# Altium PCB spd150.PcbDoc (part 11 of 15)
Units mil, origin at the board's own origin, x right, y up, seen from the top; angles counter-clockwise.
Board outline 8557 x 5807 mil, 10 copper layers (TOP, LYR2-PLN, LYR3-SIG, LYR4-SIG, LYR5-PLN, LYR6-PLN, LYR7-SIG, LYR8-SIG, LYR9-PLN, BOTTOM), stack 84 mil thick; 1065 components, 972 nets, 4226 pads, 2810 vias.
Unrouted connection lines stored in the file: 16.
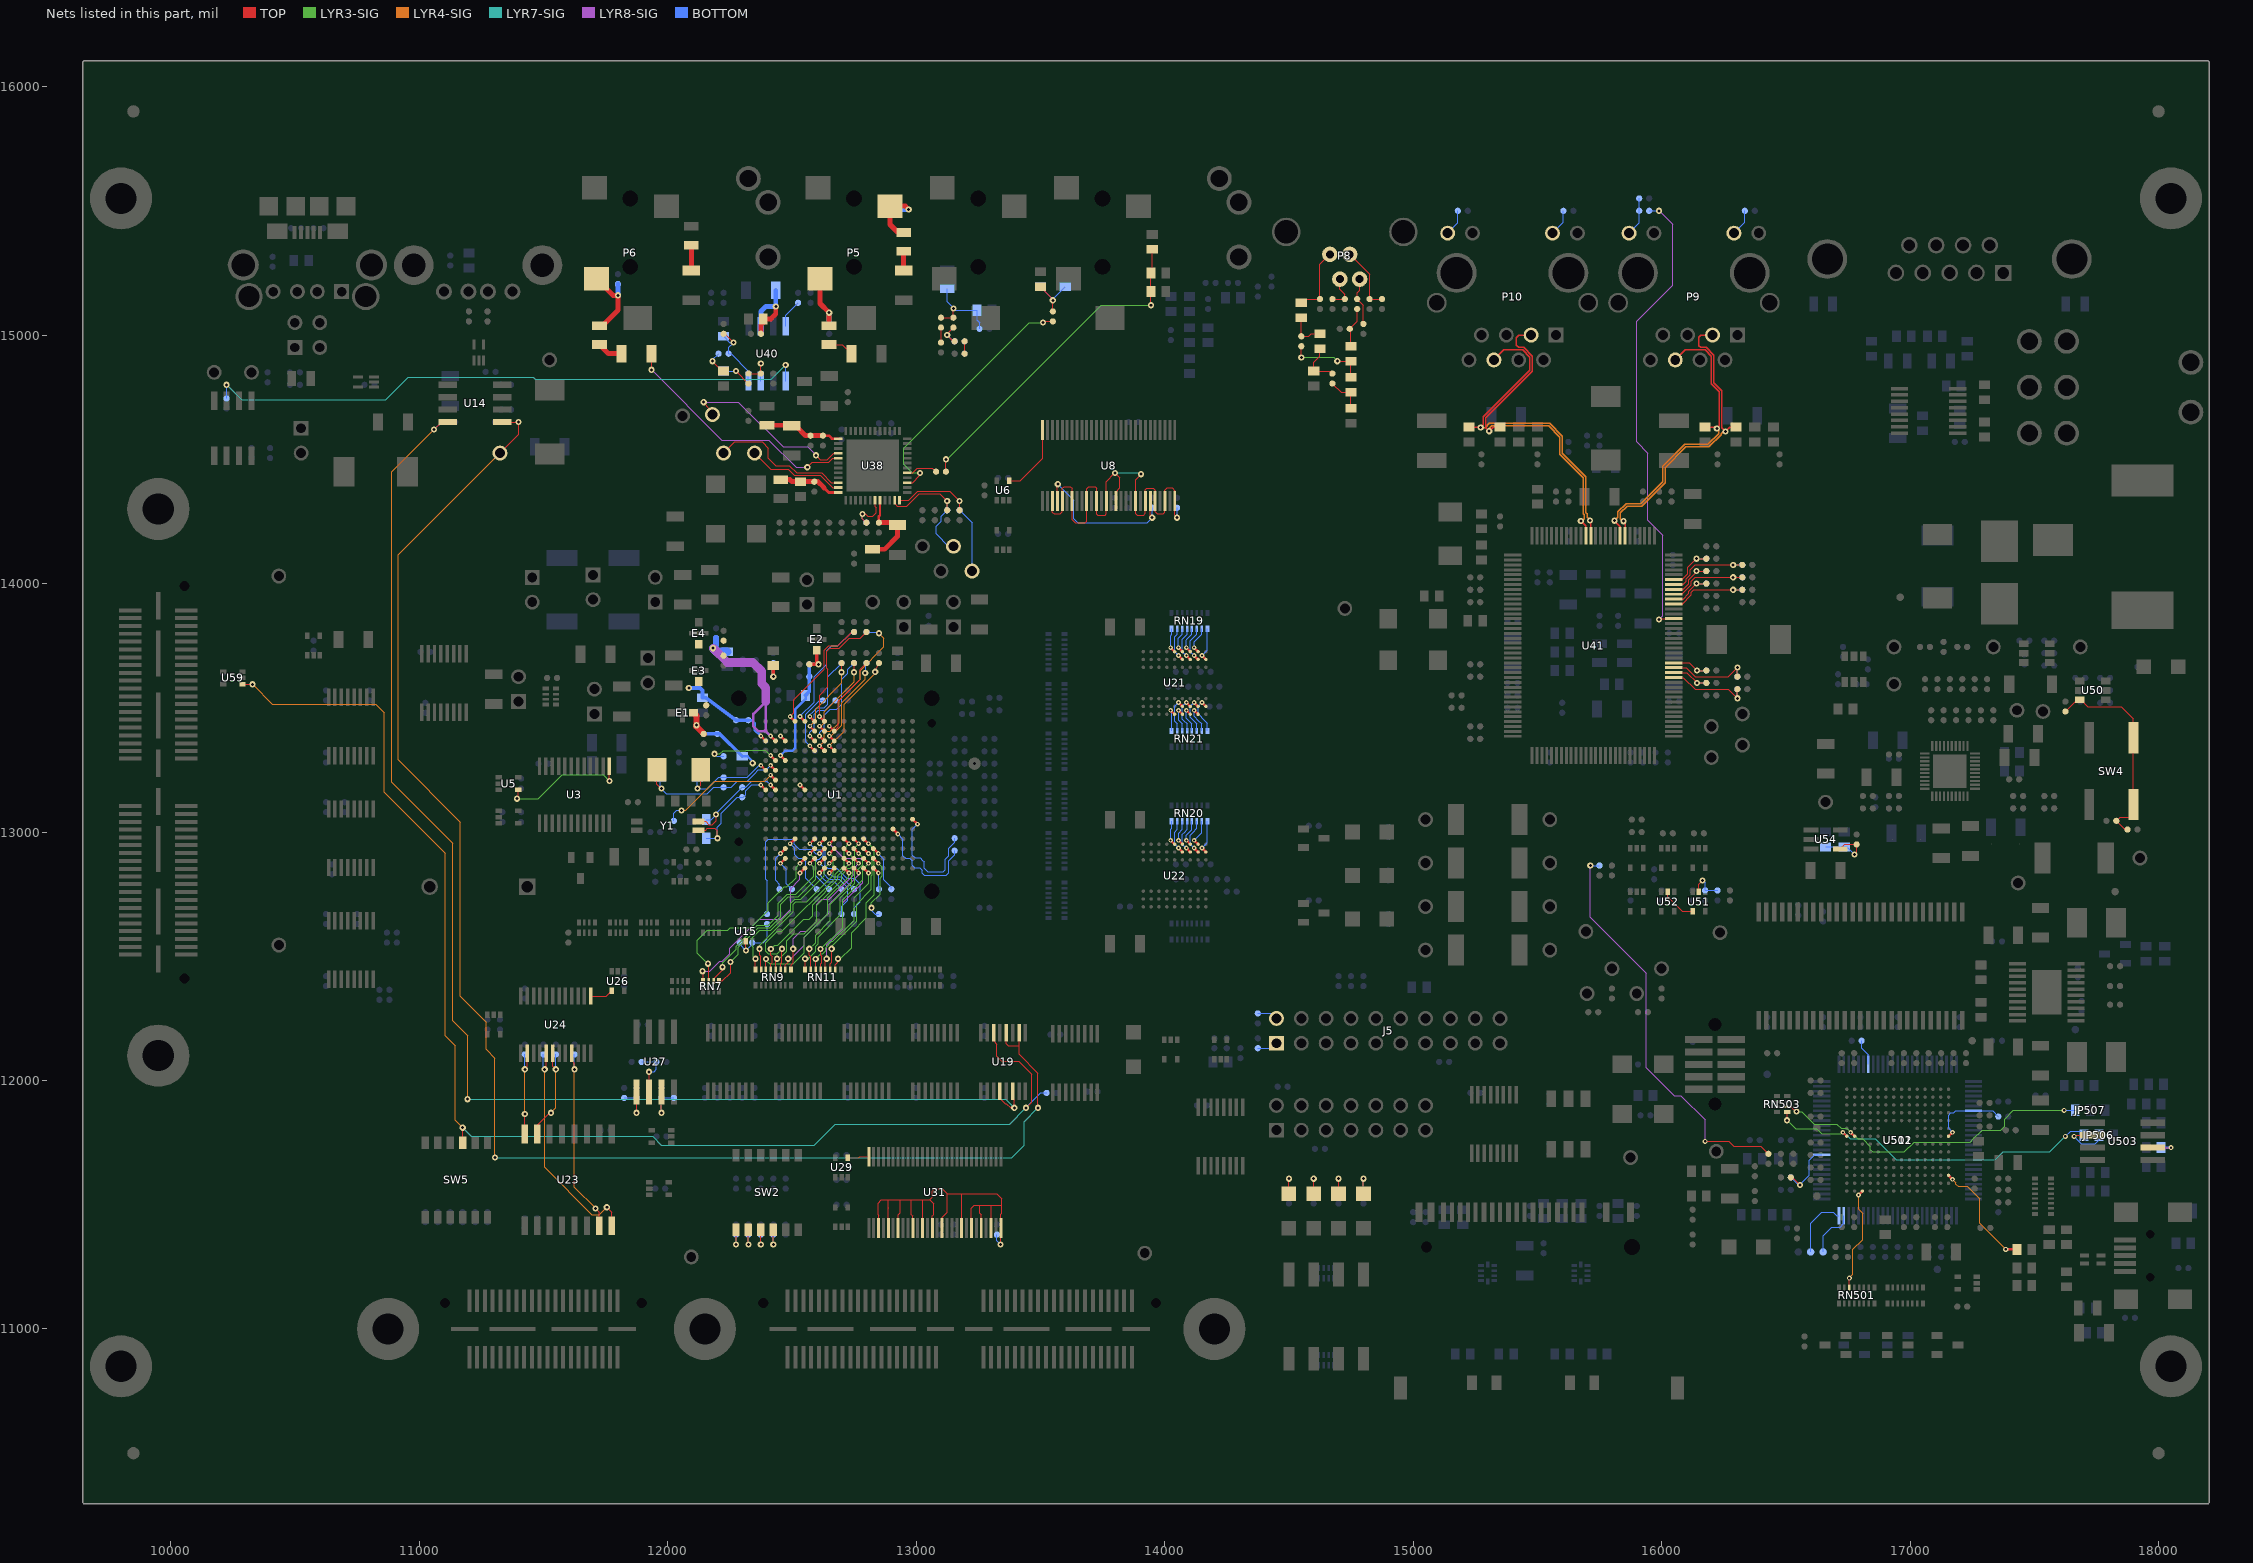
[diagram p19: the nets of this part, all layers, seen from the top]

## Via types
v1: diameter 25, hole 12, TOP to BOTTOM, 2018 vias
v2: diameter 19, hole 8, TOP to BOTTOM, 651 vias
v3: diameter 20, hole 10, TOP to BOTTOM, 120 vias
v4: diameter 22, hole 10, TOP to BOTTOM, 21 vias

## Nets (pads, with @x,y where several pads share a name; then routed paths per layer and width w, separated by ;. In a path a pad name is that pad's centre, name@x,y a point inside that pad or via, vN(x,y) a via of type N, cw(c..) or ccw(c..) an arc to the next point about the centre after c; other vN are vias at no path point) (continued)
N19020479: R234.2 U41.25 | length 1879.4
  TOP w5: v1(15989,13855) 15990,13855 15993.4,13858.4 U41.25@16049,13858.4
  LYR8-SIG w5: v1(15989,13855) 16005,13871 16005,14195 15945,14255 15945,14525 15900,14570 15900,15055 16045,15200 16045,15445 v1(15990,15500)
  BOTTOM w5: R234.2@15950,15500 v1(15990,15500)
N19211648: C261.2 R372.2 R373.1 U54.4 | length 245.4
  TOP w5: U54.4@16719,12932.6 16736.4,12950 C261.2@16785,12950 16785,12919 v1(16776,12910)
  BOTTOM w5: R373.1@16660,12940 R372.2@16735,12940 16746,12940 v1(16776,12910)
N19340295: U3.13 U5.4 | length 519.4
  TOP w5: v1(11394,13134) 11399,13139 U5.4@11399,13169.4 ; v1(11765.8,13205) U3.13@11765.8,13265
  LYR3-SIG w5: v1(11394,13134) 11479,13134 11575,13230 11740.8,13230 v1(11765.8,13205)
N19355604: C170.1 C171.1 L10.2 R184.1 R187.1 | length 354.4
  TOP w5: C170.1@13100,15070 R184.1@13150,15070 v1(13150,15107)
  BOTTOM w5: L10.2@13125,15187 13125,15135 13150,15110 v1(13150,15107) 13157,15100 C171.1@13245,15100 13245,15060 13255,15050 R187.1@13255,15025
N19372959: U24.13 U26.4 | length 92.3
  TOP w5: U24.13@11690.8,12340 11753.4,12340 U26.4@11774.4,12361
N19686959: R80.1 U1.R7 | length 312.9
  TOP w10: v2(12611.3,12874.2) U1.R7@12631,12893.9
  BOTTOM w4: v2(12611.3,12874.2) 12630,12855.5 12630,12830 12645,12815
  BOTTOM w5: 12645,12815 12650,12810 12690,12810 12725,12775 12725,12726 12700,12701 R80.1@12700,12670
N19689562: R79.1 U1.T12 | length 93.6
  TOP w10: U1.T12@12828,12854.5 v2(12847.7,12834.8)
  BOTTOM w4: v2(12847.7,12834.8) 12850,12832.5 12850,12815
  BOTTOM w5: R79.1@12850,12770 12850,12815
N19692173: R78.1 U1.R12 | length 277.8
  TOP w10: U1.R12@12828,12893.9 v2(12847.7,12874.2)
  LYR3-SIG w4: v2(12847.7,12874.2) 12848,12874.2 12863.2,12859 12863.2,12823.2 12855,12815
  LYR3-SIG w5: v1(12820,12695) 12820,12715 12855,12750 12855,12815
  BOTTOM w5: v1(12820,12695) 12820,12685 12835,12670 R78.1@12850,12670
N19694792: R77.1 U1.N7 | length 427.1
  TOP w10: v2(12611.3,12953) U1.N7@12631,12972.7
  BOTTOM w4: v2(12611.3,12953) 12635,12929.3 12635,12865 12645,12855 12680,12855 12720,12815 12750,12815
  BOTTOM w5: R77.1@12750,12670 12750,12695 12775,12720 12775,12790 12750,12815
N19697419: R76.1 U1.L16 | length 480.7
  TOP w10: U1.L16@12985.6,13051.5 v2(13005.3,13031.8)
  BOTTOM w4: v2(13005.3,13031.8) 12985,13011.5 12985,12907 12996,12896 13016,12896 13025,12887
  BOTTOM w5: 13025,12887 13032,12880 13032,12855 13046,12841 13110,12841 13118,12849 13118,12891 13131,12904 13131,12934 13155,12958 R76.1@13155,12975
N19700054: R75.1 U1.T7 | length 147
  TOP w10: v2(12611.3,12834.8) U1.T7@12631,12854.5
  BOTTOM w4: v2(12611.3,12834.8) 12611.3,12828.7 12625,12815
  BOTTOM w5: 12625,12815 12640,12800 12670,12800 R75.1@12700,12770
N19707445: R72.2 R73.2 R74.1 U15.2 | length 248.9
  TOP w5: v1(12315,12523) U15.2@12315,12561
  BOTTOM w5: R73.2@12290,12555 12290,12548 v1(12315,12523) 12340,12548 R74.1@12340,12555 12385,12555 12400,12570 R72.2@12400,12630
N19761833: TP40.1 U38.28 | length 710
  TOP w5: v1(12145,14730) 12180,14685 TP40.1@12180,14680 ; v1(12597,14516) 12615,14498 12643,14498 12669.2,14524.2 U38.28@12686,14524.2
  LYR8-SIG w5: v1(12145,14730) 12285,14730 12465,14550 12563,14550 v1(12597,14516)
N19781344: P8.1 R228.2 R232.1 | length 194.5
  TOP w5: P8.1@14785,15225 14785,15180 14775,15170 R228.2@14775,15145 14800,15120 R232.1@14800,15045
N19781350: C192.2 P8.4 R225.2 | length 277.8
  TOP w5: C192.2@14550,15130 14565,15145 R225.2@14625,15145 14625,15285 P8.4@14665,15325
N19781354: C196.1 P8.3 R230.2 | length 138.3
  TOP w5: C196.1@14675,15145 R230.2@14725,15145 14725,15165 14705,15185 P8.3@14705,15225
N19781358: C197.1 P8.2 R231.2 | length 263.1
  TOP w5: P8.2@14745,15325 14825,15245 C197.1@14825,15145 R231.2@14875,15145
N19781378: C190.2 C191.1 R226.1 | length 179.5
  TOP w5: C191.1@14625,14945 14625,14915 14600,14890 C190.2@14600,14855 14665,14855 R226.1@14675,14845
N19781382: C193.2 C194.1 R226.2 | length 154.5
  TOP w5: R226.2@14675,14805 14710,14770 C194.1@14750,14770 C193.2@14750,14705
N19781386: C194.2 C195.1 R227.2 | length 316.2
  TOP w5: v1(14550,14910) R227.2@14550,14955 ; v1(14695,14895) C195.1@14750,14895 C194.2@14750,14830
  LYR3-SIG w5: v1(14550,14910) 14680,14910 v1(14695,14895)
N19781398: C191.2 C192.1 R227.1 | length 154.1
  TOP w5: C192.1@14550,15070 R227.1@14550,14995 14580,14995 14590,15005 C191.2@14625,15005
N19781428: C195.2 R228.1 R229.2 | length 164.5
  TOP w5: C195.2@14750,14955 14750,15020 R229.2@14745,15025 14775,15055 R228.1@14775,15105
N19815923: C49.1 R106.1 U1.F1 Y2.1 | length 446.7
  TOP w5: v1(12120,13175) 12133,13188 Y2.1@12133,13250
  TOP w10: v2(12374.9,13268.2) U1.F1@12394.6,13248.5
  BOTTOM w4: 12350,13250 12368.2,13268.2 v2(12374.9,13268.2)
  BOTTOM w5: C49.1@12120,13220 v1(12120,13175) 12160,13175 12205,13220 R106.1@12225,13220 12320,13220 12350,13250
N19816047: C48.1 R106.2 U1.F2 Y2.2 | length 651.9
  TOP w5: Y2.2@11957,13250 11957,13193 v1(11975,13175)
  TOP w10: v2(12414.3,13268.2) U1.F2@12434,13248.5
  BOTTOM w4: 12350,13235 12365,13250 12396.1,13250 v2(12414.3,13268.2)
  BOTTOM w5: C48.1@11970,13220 11970,13180 v1(11975,13175) 11995,13155 12160,13155 12185,13180 R106.2@12225,13180 12255,13180 12280,13205 12320,13205 12350,13235
N19816061: R108.1 U1.E2 | length 310.8
  TOP w10: v2(12414.3,13307.6) U1.E2@12434,13287.9
  LYR3-SIG w4: 12360,13330 12391.9,13330 v2(12414.3,13307.6)
  LYR3-SIG w5: v1(12188,13315) 12210,13315 12223,13328 12313.3,13328 12315.3,13330 12360,13330
  BOTTOM w5: v1(12188,13315) 12198,13305 R108.1@12225,13305
N19869868: C258.1 R363.1 U51.2 | length 146.4
  TOP w5: U51.2@16150,12759 16150,12790 v1(16165,12805)
  BOTTOM w5: v1(16165,12805) 16175,12795 C258.1@16175,12765 R363.1@16225,12765
N19875006: U51.4 U52.2 | length 142.8
  TOP w5: U52.2@16025,12759 16025,12740 16084,12681 U51.4@16124.4,12681
N19925423: U6.4 U8.56 | length 284.8
  TOP w5: U6.4@13375.6,14414 13419,14414 13509.3,14504.3 U8.56@13509.3,14618
N19966679: U29.4 U31.56 | length 85.4
  TOP w5: U29.4@12725.6,11689 12769,11689 12773,11693 U31.56@12809.3,11693
N19997012: R153.1 U31.3 U31.5 U31.7 U31.10 U31.12 U31.14 U31.16 U31.20 U31.22 U31.24 U31.26 U31.28 | length 2146.4
  TOP w5: U31.3@12848.7,11407 12848.7,11458 12846.7,11460 12846.7,11506.7 12860,11520 12888,11520 ; U31.5@12888,11407 12888,11469.7 12888.4,11470.1 12888.4,11486.7 12888,11487.1 12888,11520 ; U31.7@12927.4,11407 12927.4,11460 12935,11467.6 12935,11520 ; U31.10@12986.4,11407 12986.4,11455 12980.7,11460.7 12980.7,11519.9 12980.6,11520 ; U31.12@13025.8,11407 13025.8,11460 13027.4,11461.6 13027.4,11519.9 13027.5,11520 ; U31.14@13065.2,11407 13065.2,11455.2 13070,11460 13070,11505 13055,11520 ; U31.16@13104.5,11407 13104.5,11449.5 13125,11470 13125,11545 ; U31.20@13183.2,11407 13183.2,11544.9 13183.3,11545 ; U31.22@13222.6,11407 13222.6,11486.9 13234.6,11498.9 13255,11498.9 ; U31.24@13262,11407 13262,11459.7 13255,11466.7 13255,11498.9 ; U31.26@13301.3,11407 13301.3,11498.9 ; v1(13340,11340) 13340.7,11340.7 U31.28@13340.7,11407 13340,11407.7 13340,11461.7 13345,11466.7 13345,11498.8 ; 12888,11520 12935,11520 ; 12935,11520 12980.6,11520 ; 12980.6,11520 13027.5,11520 ; 13027.5,11520 13055,11520 ; 13055,11520 13065,11530 13065,11555 13075,11565 13105,11565 13125,11545 ; 13125,11545 13183.3,11545 ; 13183.3,11545 13325,11545 13345,11525 13345,11498.8 ; 13255,11498.9 13301.3,11498.9 ; 13301.3,11498.9 13344.9,11498.9 13345,11498.8
  BOTTOM w5: R153.1@13325,11380 13325,11355 v1(13340,11340)
N20014734: R23.1 U8.3 U8.5 U8.7 U8.10 U8.12 U8.14 U8.16 U8.20 U8.22 U8.24 U8.26 U8.28 | length 1935.5
  TOP w5: U8.3@13548.7,14332 13548.7,14286.3 13555,14280 13580,14280 13588,14288 U8.5@13588,14332 13588,14383 13595,14390 13620,14390 13627.4,14382.6 U8.7@13627.4,14332 13627.4,14257.6 13640,14245 13680,14245 13686.4,14251.4 U8.10@13686.4,14332 13686.4,14381.4 13695,14390 13720,14390 13725.8,14384.2 U8.12@13725.8,14332 13725.8,14279.2 13730,14275 13760,14275 13765.2,14280.2 U8.14@13765.2,14332 13765.2,14410.2 v1(13800,14445) 13820,14425 13820,14385 13804.5,14369.5 U8.16@13804.5,14332 ; v1(13905,14440) 13883.2,14418.2 U8.20@13883.2,14332 13883.2,14281.8 13890,14275 13915,14275 13922.6,14282.6 U8.22@13922.6,14332 13922.6,14377.7 13928,14383.1 13953.9,14383.1 13962,14375 U8.24@13962,14332 13962,14288 13970,14280 13995,14280 14001.3,14286.3 U8.26@14001.3,14332 14001.3,14375 14011.3,14385 14030,14385 14040.7,14374.3 U8.28@14040.7,14332 14040.7,14274.3 v1(14050,14265)
  LYR7-SIG w5: v1(13800,14445) 13900,14445 v1(13905,14440)
  BOTTOM w5: v1(14050,14265) R23.1@14050,14305
N20113681: R221.1 U40.8 | length 115.7
  BOTTOM w5: U40.8@12475,15035 12475,15080 R221.1@12525,15130
N20116175: C183.1 C184.2 R212.1 U40.6 | length 345.7
  TOP w20: C184.2@12375,15005 12375,15040 12385,15050 R212.1@12385,15065 12415,15065 12435,15085 v1(12435,15115)
  BOTTOM w20: U40.6@12375,15035 12375,15095 12395,15115 v1(12435,15115) C183.1@12435,15180
N20121032: C173.1 U38.29 | length 993.5
  TOP w5: v1(11935,14860) C173.1@11935,14925 ; v1(12562,14468) 12582,14488 12647.5,14488 12664,14504.5 U38.29@12686,14504.5
  LYR8-SIG w5: v1(11935,14860) 12217.5,14577.5 12407.5,14577.5 12517,14468 v1(12562,14468)
N20124212: R199.2 R205.1 TP11.1 U38.47 | length 541.2
  TOP w5: U38.47@12913.6,14336 12913.6,14322.4 12924.5,14311.5 12961.5,14311.5 13012,14362 13095,14362 v1(13125,14332) R205.1@13125,14295
  BOTTOM w5: v1(13125,14332) R199.2@13125,14295 13100,14270 13100,14250 13080,14230 13080,14200 13130,14150 TP11.1@13150,14150
N20124340: R198.2 R204.1 TP12.1 U38.48 | length 613
  TOP w5: U38.48@12933.2,14336 12971,14336 13007,14372 13135,14372 v1(13175,14332) R204.1@13175,14295
  BOTTOM w5: v1(13175,14332) R198.2@13175,14295 13225,14245 TP12.1@13225,14050
N20126363: R219.2 R222.1 U40.3 | length 160
  TOP w5: R219.2@12325,14845 R222.1@12375,14845 v1(12375,14885)
  BOTTOM w5: U40.3@12375,14815 v1(12375,14885)
N20126390: C186.1 R219.1 | length 120.7
  TOP w5: v1(12275,14855) R219.1@12325,14805
  BOTTOM w5: C186.1@12225,14855 v1(12275,14855)
N20126598: C185.2 R218.1 | length 101.9
  TOP w5: v1(12180,14895) 12220,14855 C185.2@12225,14855
  BOTTOM w5: v1(12180,14895) 12180,14900 R218.1@12205,14925
N20126612: C179.2 R215.1 R218.2 U40.4 | length 307.1
  TOP w5: R215.1@12225,15005 12230,15005 v1(12265,14970)
  BOTTOM w5: C179.2@12225,14995 12250,14970 v1(12265,14970) 12245,14950 R218.2@12245,14925 12255,14925 12325,14855 U40.4@12325,14815
N20128045: R224.1 U40.1 | length 2459.1
  LYR7-SIG w5: v1(10225,14800) 10285,14740 10865,14740 10955,14830 11460,14830 11467.5,14822.5 12417.5,14822.5 v1(12475,14880)
  BOTTOM w5: R224.1@10225,14745 v1(10225,14800) ; U40.1@12475,14815 v1(12475,14880)
N20129293: R121.2 SW2.1 | length 100
  TOP w5: v1(12275,11340) SW2.1@12275,11400
  BOTTOM w5: v1(12275,11340) R121.2@12275,11380
N20129295: R122.2 SW2.2 | length 100
  TOP w5: v1(12325,11340) SW2.2@12325,11400
  BOTTOM w5: v1(12325,11340) R122.2@12325,11380
N20129297: R123.2 SW2.3 | length 100
  TOP w5: v1(12375,11340) SW2.3@12375,11400
  BOTTOM w5: v1(12375,11340) R123.2@12375,11380
N20129307: R125.2 SW2.4 | length 100
  TOP w5: v1(12425,11340) SW2.4@12425,11400
  BOTTOM w5: v1(12425,11340) R125.2@12425,11380
N20129381: TP7.1 U38.35 | length 393.4
  TOP w5: TP7.1@12350,14525 12415,14460 12485,14460 12510,14435 12615,14435 12663.6,14386.4 U38.35@12686,14386.4
N20129448: TP8.1 U38.34 | length 571
  TOP w5: TP8.1@12225,14525 12270,14570 12380,14570 12405,14545 12405,14505 12435,14475 12490,14475 12520,14445 12620,14445 12658.9,14406.1 U38.34@12686,14406.1
N20132491: R203.2 R208.1 U38.43 | length 202.8
  TOP w5: R203.2@12800,14245 12784,14261 v1(12784,14280) 12795,14280 12805,14270 12825,14270 12840,14285 12840,14304.8 12834.8,14310 U38.43@12834.8,14336
  BOTTOM w5: v1(12784,14280) 12784,14261 R208.1@12800,14245
N20134713: R30.1 U1.C6 | length 231.7
  TOP w10: v2(12571.9,13386.4) U1.C6@12591.6,13366.7
  BOTTOM w4: v2(12571.9,13386.4) 12571.9,13401.9 12590,13420 12590,13475 12600,13485
  BOTTOM w5: 12600,13485 12605,13490 12635,13490 R30.1@12675,13530
N20135080: R31.1 U1.P3 | length 185.4
  TOP w10: v2(12453.7,12913.6) U1.P3@12473.4,12933.3
  BOTTOM w4: 12435,12825.2 12435,12894.9 v2(12453.7,12913.6)
  BOTTOM w5: 12435,12825.2 12435,12805 12450,12790 R31.1@12450,12770
N20135121: R32.1 U1.R3 | length 151.2
  TOP w10: v2(12453.7,12874.2) U1.R3@12473.4,12893.9
  BOTTOM w4: v2(12453.7,12874.2) 12477.6,12850.3 12477.6,12815
  BOTTOM w5: 12477.6,12815 12477.6,12792.4 R32.1@12500,12770
N20135248: R29.1 U1.D6 | length 254.5
  TOP w10: v2(12571.9,13347) U1.D6@12591.6,13327.3
  BOTTOM w4: 12555,13473 12555,13363.9 v2(12571.9,13347)
  BOTTOM w5: 12555,13473 12612,13530 R29.1@12625,13530
N20158138: R138.2 R141.1 U27.1 | length 193.5
  TOP w5: v1(11875,11870) U27.1@11875,11953.5
  BOTTOM w5: R141.1@11825,11930 R138.2@11875,11930 v1(11875,11870)
N20158142: R139.2 R142.1 U27.2 | length 205.6
  TOP w5: U27.2@11925,11953.5 v1(11925,12035)
  BOTTOM w5: R142.1@11895,12075 R139.2@11955,12075 11955,12045 11945,12035 v1(11925,12035)
N20158157: R140.2 R143.1 U27.3 | length 193.5
  TOP w5: v1(11975,11870) U27.3@11975,11953.5
  BOTTOM w5: v1(11975,11870) R140.2@11975,11930 R143.1@12025,11930
N20160371: R66.1 U1.N6 | length 285.1
  TOP w10: v2(12571.9,12953) U1.N6@12591.6,12972.7
  BOTTOM w4: v2(12571.9,12953) 12595.8,12929.1 12617.8,12929.1 12626.8,12920.1 12626.8,12907.1 12609.4,12889.7 12604.8,12889.7 12595,12879.9 12595,12825
  BOTTOM w5: 12595,12825 R66.1@12650,12770
N20160541: RN11.2 U1.N11 | length 615.1
  TOP w5: RN11.2@12674,12447 12674,12465 12685,12476 v1(12685,12490)
  TOP w10: U1.N11@12788.6,12972.7 v2(12808.3,12953)
  LYR3-SIG w4: v2(12808.3,12953) 12832.2,12929.1 12832.2,12815
  LYR3-SIG w5: v1(12685,12490) 12695,12490 12740,12535 12740,12595 12800,12655 12800,12715 12832.2,12747.2 12832.2,12815
N20160583: RN11.4 U1.N8 | length 690.5
  TOP w5: RN11.4@12634.8,12447 12634.8,12452.4 12635,12452.6 12635,12485 v1(12640,12490)
  TOP w10: v2(12650.7,12953) U1.N8@12670.4,12972.7
  LYR8-SIG w4: v2(12650.7,12953) 12708.7,12895 12775,12895 12785,12885 12785,12815
  LYR8-SIG w5: v1(12640,12490) 12640,12546.5 12705,12611.5 12705,12715 12785,12795 12785,12815
N20160585: RN11.3 U1.P11 | length 571.4
  TOP w5: RN11.3@12654.4,12447 12654.4,12470 12660,12475.6 v1(12660,12530)
  TOP w10: U1.P11@12788.6,12933.3 v2(12808.3,12913.6)
  LYR3-SIG w4: v2(12808.3,12913.6) 12824.2,12897.7 12824.2,12828.7 12820,12824.5 12820,12815
  LYR3-SIG w5: v1(12660,12530) 12660,12540 12760,12640 12760,12710 12820,12770 12820,12815
N20160587: RN11.7 U1.N10 | length 618.7
  TOP w5: v1(12570,12530) 12570,12503.3 12575.6,12497.7 12575.6,12447.4 RN11.7@12576,12447
  TOP w10: U1.N10@12749.2,12972.7 v2(12768.9,12953)
  LYR3-SIG w4: 12740,12815 12740,12823.3 12745,12828.3 12745,12845 12753.4,12853.4 12753.4,12937.5 v2(12768.9,12953)
  LYR3-SIG w5: v1(12570,12530) 12595,12555 12595,12585 12655,12645 12655,12710 12740,12795 12740,12815
N20160591: RN11.8 U1.P10 | length 606.1
  TOP w5: RN11.8@12553.4,12447 v1(12553.4,12490)
  TOP w10: U1.P10@12749.2,12933.3 v2(12768.9,12913.6)
  LYR3-SIG w4: 12753.4,12815 12753.4,12841.3 12762.4,12850.3 12767,12850.3 12784.4,12867.7 12784.4,12898.1 v2(12768.9,12913.6)
  LYR3-SIG w5: v1(12553.4,12490) 12565,12490 12595,12520 12595,12540 12605,12550 12605,12576.5 12695,12666.5 12695,12735 12753.4,12793.4 12753.4,12815
N20160593: RN11.6 U1.T11 | length 511.1
  TOP w5: RN11.6@12595.6,12447 v1(12595.6,12489.4)
  TOP w10: U1.T11@12788.6,12854.5 v2(12808.3,12834.8)
  LYR3-SIG w4: 12808.3,12815 v2(12808.3,12834.8)
  LYR3-SIG w5: v1(12595.6,12489.4) 12616,12509.8 12623.5,12509.8 12635.2,12521.5 12635.2,12535.2 12660,12560 12665,12560 12750,12645 12750,12735 12808.3,12793.3 12808.3,12815
N20160595: RN11.5 U1.R11 | length 541.7
  TOP w5: RN11.5@12615.2,12447 12615.2,12470 12620,12474.8 12620,12500 12615.2,12504.8 v1(12615.2,12529.8)
  TOP w10: U1.R11@12788.6,12893.9 v2(12808.3,12874.2)
  LYR3-SIG w4: 12785,12815 12785,12850.9 v2(12808.3,12874.2)
  LYR3-SIG w5: v1(12615.2,12529.8) 12655.4,12570 12660,12570 12705,12615 12705,12727.6 12785,12807.6 12785,12815
N20166860: R27.2 U1.N4 | length 263.9
  TOP w10: v2(12493.1,12953) U1.N4@12512.8,12972.7
  BOTTOM w4: v2(12493.1,12953) 12511.1,12935 12511.1,12908.9 12525,12895 12540,12895 12555,12880 12555,12815
  BOTTOM w5: 12555,12815 R27.2@12600,12770
N20301221: C21.1 C22.1 C23.1 C24.1 E2.1 U1.E3 | length 593.3
  TOP w10: v2(12453.7,13307.6) U1.E3@12473.4,13287.9
  TOP w15: C21.1@12570,13675 v1(12607,13675) 12600,13682 E2.1@12600,13731
  BOTTOM w10: v2(12453.7,13307.6) 12473.1,13327 12502,13327 12513,13338 12513,13493 12555,13535 C24.1@12555,13550
  BOTTOM w15: C24.1@12555,13550 12570,13565 C23.1@12570,13625 C22.1@12570,13675 v1(12607,13675)
N20301254: C26.1 C27.1 U1.C3 | length 127.9
  TOP w10: v2(12453.7,13386.4) U1.C3@12473.4,13366.7
  TOP w15: v1(12425,13625) C27.1@12425,13670
  BOTTOM w15: v1(12425,13625) C26.1@12425,13680
N20333449: C17.1 C18.1 C19.1 C20.1 E1.1 U1.H5 | length 381.2
  TOP w10: v2(12532.5,13189.4) U1.H5@12552.2,13169.7
  TOP w25: E1.1@12104,13480 12116,13468 v1(12116,13430) 12115,13429 12115,13425 C17.1@12145,13395
  BOTTOM w10: C20.1@12300,13305 12322,13305 12342,13285 v1(12342,13277)
  BOTTOM w15: C18.1@12145,13395 C19.1@12200,13395 12210,13395 C20.1@12300,13305
N20449077: R16.2 U1.A5 | length 478.3
  TOP w10: v2(12532.5,13465.2) U1.A5@12552.2,13445.5
  BOTTOM w5: v2(12532.5,13465.2) 12590,13522.7 12590,13625 12640,13675 12640,13730 12660,13750 12685,13750 12740,13805 R16.2@12750,13805
N20586306: RN7.1 U1.P6 | length 768.9
  TOP w5: RN7.1@12207.4,12400.5 12220.5,12400.5 12253,12433 v1(12253,12477)
  TOP w10: v2(12571.9,12913.6) U1.P6@12591.6,12933.3
  LYR3-SIG w4: v2(12571.9,12913.6) 12595.8,12889.7 12595.8,12815
  LYR3-SIG w5: v1(12253,12477) 12285,12509 12285,12535.5 12364.5,12615 12410,12615 12455,12660 12455,12709 12486,12740 12525,12740 12595.8,12810.8 12595.8,12815
N20586307: RN7.2 U1.R6 | length 721
  TOP w5: RN7.2@12184.8,12400.5 12184.8,12409.8 12221,12446 v1(12221,12456)
  TOP w10: v2(12571.9,12874.2) U1.R6@12591.6,12893.9
  LYR3-SIG w4: v2(12571.9,12874.2) 12587.4,12858.7 12587.4,12822.4 12580,12815
  LYR3-SIG w5: v1(12221,12456) 12221,12474 12275,12528 12275,12540 12360,12625 12405,12625 12445,12665 12445,12714 12481,12750 12515,12750 12580,12815
N20586308: RN7.3 U1.R5 | length 794.2
  TOP w5: v1(12162,12470) 12165.2,12466.8 RN7.3@12165.2,12400.5
  TOP w10: v2(12532.5,12874.2) U1.R5@12552.2,12893.9
  LYR3-SIG w4: 12515,12815 12517,12817 12517,12858.7 v2(12532.5,12874.2)
  LYR3-SIG w5: v1(12162,12470) 12120,12512 12120,12565 12160,12605 12242,12605 12252,12615 12335,12615 12405,12685 12405,12716 12469,12780 12480,12780 12515,12815
N20586309: RN7.4 U1.T5 | length 700.9
  TOP w5: v1(12140,12440) 12142.6,12437.4 RN7.4@12142.6,12400.5
  TOP w10: v2(12532.5,12834.8) U1.T5@12552.2,12854.5
  LYR8-SIG w4: 12532.5,12815 v2(12532.5,12834.8)
  LYR8-SIG w5: v1(12140,12440) 12170,12440 12210,12480 12220.1,12480 12250,12509.9 12250,12533 12367,12650 12455,12650 12495,12690 12495,12772.3 12532.5,12809.8 12532.5,12815
N20637986: R86.1 U1.M14 | length 461.7
  TOP w10: U1.M14@12906.8,13012.1 v2(12926.5,12992.4)
  BOTTOM w4: v2(12926.5,12992.4) 12947,12971.9 12947,12905 12958,12894 12974,12894 12984,12884 12984,12866 12994,12856 13015,12856 13025,12846 13025,12834
  BOTTOM w5: 13025,12834 13033,12826 13122,12826 13132,12836 13132,12885 13155,12908 R86.1@13155,12925
N20639075: R87.1 U1.P12 | length 193.1
  TOP w10: U1.P12@12828,12933.3 v2(12847.7,12913.6)
  BOTTOM w4: v2(12847.7,12913.6) 12870,12891.3 12870,12823
  BOTTOM w5: 12870,12823 12870,12808 12900,12778 R87.1@12900,12770

## Text inside footprints (layer, text, board x,y; h text height)
C596: PIN_NUMBER "2" at 17092,11410 h20 r270; PIN_NUMBER "1" at 17092,11450 h20 r270; ASSEMBLY_TOP "USERPART#" at 16950,11430 h25 r270; ASSEMBLY_TOP "TOLERANCE" at 17000,11430 h25 r270; ASSEMBLY_TOP "0.1uF" at 17100,11430 h25 r270; SYMBOL_PART_DIM "0" at 17087,11522 h25 r270; SYMBOL_PART_DIM "0" at 17016,11438 h25 r270; SYMBOL_PART_DIM "C402-35X32" at 16962,11553 h25 r270; SYMBOL_PART_DIM "PAD 35X32 OV" at 16912,11553 h25 r270
C597: PIN_NUMBER "2" at 16967,11410 h20 r270; PIN_NUMBER "1" at 16967,11450 h20 r270; ASSEMBLY_TOP "USERPART#" at 16825,11430 h25 r270; ASSEMBLY_TOP "TOLERANCE" at 16875,11430 h25 r270; ASSEMBLY_TOP "0.1uF" at 16975,11430 h25 r270; SYMBOL_PART_DIM "0" at 16962,11522 h25 r270; SYMBOL_PART_DIM "0" at 16891,11438 h25 r270; SYMBOL_PART_DIM "C402-35X32" at 16837,11553 h25 r270; SYMBOL_PART_DIM "PAD 35X32 OV" at 16787,11553 h25 r270
C598: PIN_NUMBER "2" at 17312,11815 h20; PIN_NUMBER "1" at 17272,11815 h20; ASSEMBLY_TOP "USERPART#" at 17300,11665 h25; ASSEMBLY_TOP "TOLERANCE" at 17300,11715 h25; ASSEMBLY_TOP "0.1uF" at 17300,11815 h25; SYMBOL_PART_DIM "0" at 17208,11802 h25; SYMBOL_PART_DIM "0" at 17292,11731 h25; SYMBOL_PART_DIM "C402-35X32" at 17177,11677 h25; SYMBOL_PART_DIM "PAD 35X32 OV" at 17177,11627 h25
C599: PIN_NUMBER "2" at 17017,12110 h20 r90; PIN_NUMBER "1" at 17017,12070 h20 r90; ASSEMBLY_TOP "USERPART#" at 17175,12090 h25 r90; ASSEMBLY_TOP "TOLERANCE" at 17125,12090 h25 r90; ASSEMBLY_TOP "0.1uF" at 17025,12090 h25 r90; SYMBOL_PART_DIM "0" at 17038,11998 h25 r90; SYMBOL_PART_DIM "0" at 17109,12082 h25 r90; SYMBOL_PART_DIM "C402-35X32" at 17163,11967 h25 r90; SYMBOL_PART_DIM "PAD 35X32 OV" at 17213,11967 h25 r90
C600: PIN_NUMBER "2" at 16792,12255 h20 r270; PIN_NUMBER "1" at 16792,12215 h20 r270; ASSEMBLY_BOTTOM "USERPART#" at 16650,12235 h25 r270; ASSEMBLY_BOTTOM "TOLERANCE" at 16700,12235 h25 r270; ASSEMBLY_BOTTOM "0.1uF" at 16800,12235 h25 r270; SYMBOL_PART_DIM "0" at 16787,12143 h25 r270; SYMBOL_PART_DIM "0" at 16716,12227 h25 r270; SYMBOL_PART_DIM "C402-35X32" at 16662,12112 h25 r270; SYMBOL_PART_DIM "PAD 35X32 OV" at 16612,12112 h25 r270
C601: PIN_NUMBER "2" at 17192,12255 h20 r270; PIN_NUMBER "1" at 17192,12215 h20 r270; ASSEMBLY_BOTTOM "USERPART#" at 17050,12235 h25 r270; ASSEMBLY_BOTTOM "TOLERANCE" at 17100,12235 h25 r270; ASSEMBLY_BOTTOM "0.1uF" at 17200,12235 h25 r270; SYMBOL_PART_DIM "0" at 17187,12143 h25 r270; SYMBOL_PART_DIM "0" at 17116,12227 h25 r270; SYMBOL_PART_DIM "C402-35X32" at 17062,12112 h25 r270; SYMBOL_PART_DIM "PAD 35X32 OV" at 17012,12112 h25 r270
C602: PIN_NUMBER "2" at 16642,12255 h20 r270; PIN_NUMBER "1" at 16642,12215 h20 r270; ASSEMBLY_BOTTOM "USERPART#" at 16500,12235 h25 r270; ASSEMBLY_BOTTOM "TOLERANCE" at 16550,12235 h25 r270; ASSEMBLY_BOTTOM "0.1uF" at 16650,12235 h25 r270; SYMBOL_PART_DIM "0" at 16637,12143 h25 r270; SYMBOL_PART_DIM "0" at 16566,12227 h25 r270; SYMBOL_PART_DIM "C402-35X32" at 16512,12112 h25 r270; SYMBOL_PART_DIM "PAD 35X32 OV" at 16462,12112 h25 r270
C603: PIN_NUMBER "2" at 16417,12255 h20 r270; PIN_NUMBER "1" at 16417,12215 h20 r270; ASSEMBLY_BOTTOM "USERPART#" at 16275,12235 h25 r270; ASSEMBLY_BOTTOM "TOLERANCE" at 16325,12235 h25 r270; ASSEMBLY_BOTTOM "0.1uF" at 16425,12235 h25 r270; SYMBOL_PART_DIM "0" at 16412,12143 h25 r270; SYMBOL_PART_DIM "0" at 16341,12227 h25 r270; SYMBOL_PART_DIM "C402-35X32" at 16287,12112 h25 r270; SYMBOL_PART_DIM "PAD 35X32 OV" at 16237,12112 h25 r270
C604: PIN_NUMBER "2" at 16642,12640 h20 r90; PIN_NUMBER "1" at 16642,12680 h20 r90; ASSEMBLY_BOTTOM "USERPART#" at 16800,12660 h25 r90; ASSEMBLY_BOTTOM "TOLERANCE" at 16750,12660 h25 r90; ASSEMBLY_BOTTOM "0.1uF" at 16650,12660 h25 r90; SYMBOL_PART_DIM "0" at 16663,12752 h25 r90; SYMBOL_PART_DIM "0" at 16734,12668 h25 r90; SYMBOL_PART_DIM "C402-35X32" at 16788,12783 h25 r90; SYMBOL_PART_DIM "PAD 35X32 OV" at 16838,12783 h25 r90
C605: PIN_NUMBER "2" at 16542,12665 h20 r90; PIN_NUMBER "1" at 16542,12705 h20 r90; ASSEMBLY_BOTTOM "USERPART#" at 16700,12685 h25 r90; ASSEMBLY_BOTTOM "TOLERANCE" at 16650,12685 h25 r90; ASSEMBLY_BOTTOM "0.1uF" at 16550,12685 h25 r90; SYMBOL_PART_DIM "0" at 16563,12777 h25 r90; SYMBOL_PART_DIM "0" at 16634,12693 h25 r90; SYMBOL_PART_DIM "C402-35X32" at 16688,12808 h25 r90; SYMBOL_PART_DIM "PAD 35X32 OV" at 16738,12808 h25 r90
C606: PIN_NUMBER "2" at 15947,11860 h20 r180; PIN_NUMBER "1" at 15907,11860 h20 r180; ASSEMBLY_BOTTOM "USERPART#" at 15935,12010 h25 r180; ASSEMBLY_BOTTOM "TOLERANCE" at 15935,11960 h25 r180; ASSEMBLY_BOTTOM "0.1uF" at 15935,11860 h25 r180; SYMBOL_PART_DIM "0" at 15843,11873 h25 r180; SYMBOL_PART_DIM "0" at 15927,11944 h25 r180; SYMBOL_PART_DIM "C402-35X32" at 15812,11998 h25 r180; SYMBOL_PART_DIM "PAD 35X32 OV" at 15812,12048 h25 r180
C607: PIN_NUMBER "2" at 11032,12780 h25 r180; PIN_NUMBER "1" at 11425,12780 h25 r180; Top Overlay "+" at 11470,12865 h35 r180; ASSEMBLY_TOP "X" at 11295,12930 h25 r180; ASSEMBLY_TOP "X" at 11315,12930 h25 r180; ASSEMBLY_TOP "+" at 11515,12860 h50 r180
CT500: PIN_NUMBER "2" at 17419,12585 h40; PIN_NUMBER "1" at 17299,12585 h40; Top Overlay "+" at 17250,12565 h35; ASSEMBLY_TOP "+" at 17260,12620 h40; ASSEMBLY_TOP "X" at 17415,12570 h40; ASSEMBLY_TOP "X" at 17375,12570 h40; ASSEMBLY_TOP "33uF" at 17340,12570 h40; SYMB_DIM "0" at 17200,12560 h40; SYMB_DIM "0" at 17350,12435 h40; SYMB_DIM "C1206-40X70" at 17299,12790 h40; SYMB_DIM "SP  40X70OV" at 17309,12210 h40; SYMB_DIM "SM  48X78" at 17291,12285 h40; SYMB_DIM "PAD 40X70OV" at 17309,12360 h40
CT502: PIN_NUMBER "2" at 17049,11310 h40 r180; PIN_NUMBER "1" at 17169,11310 h40 r180; Top Overlay "+" at 17240,11270 h35 r180; ASSEMBLY_TOP "+" at 17240,11275 h40 r180; ASSEMBLY_TOP "X" at 17085,11325 h40 r180; ASSEMBLY_TOP "X" at 17125,11325 h40 r180; ASSEMBLY_TOP "22uF" at 17160,11325 h40 r180; SYMB_DIM "0" at 17300,11335 h40 r180; SYMB_DIM "0" at 17150,11460 h40 r180; SYMB_DIM "C1206-40X70" at 16849,11105 h40 r180; SYMB_DIM "SP  40X70OV" at 16839,11685 h40 r180; SYMB_DIM "SM  48X78" at 16921,11610 h40 r180; SYMB_DIM "PAD 40X70OV" at 16839,11535 h40 r180
CT504: PIN_NUMBER "2" at 17509,11800 h40 r270; PIN_NUMBER "1" at 17509,11920 h40 r270; Top Overlay "+" at 17565,11915 h35 r270; ASSEMBLY_TOP "+" at 17560,11975 h40 r270; ASSEMBLY_TOP "X" at 17510,11820 h40 r270; ASSEMBLY_TOP "X" at 17510,11860 h40 r270; ASSEMBLY_TOP "22uF" at 17510,11895 h40 r270; SYMB_DIM "0" at 17500,12035 h40 r270; SYMB_DIM "0" at 17375,11885 h40 r270; SYMB_DIM "C1206-40X70" at 17554,11760 h40 r270; SYMB_DIM "SP  40X70OV" at 16974,11750 h40 r270; SYMB_DIM "SM  48X78" at 17081,11800 h40 r270; SYMB_DIM "PAD 40X70OV" at 17124,11750 h40 r270
CT505: PIN_NUMBER "2" at 17509,12020 h40 r270; PIN_NUMBER "1" at 17509,12140 h40 r270; Top Overlay "+" at 17565,12165 h35 r270; ASSEMBLY_TOP "+" at 17560,12195 h40 r270; ASSEMBLY_TOP "X" at 17510,12040 h40 r270; ASSEMBLY_TOP "X" at 17510,12080 h40 r270; ASSEMBLY_TOP "22uF" at 17510,12115 h40 r270; SYMB_DIM "0" at 17500,12255 h40 r270; SYMB_DIM "0" at 17375,12105 h40 r270; SYMB_DIM "C1206-40X70" at 17554,11980 h40 r270; SYMB_DIM "SP  40X70OV" at 16974,11970 h40 r270; SYMB_DIM "SM  48X78" at 17081,12020 h40 r270; SYMB_DIM "PAD 40X70OV" at 17124,11970 h40 r270
CT506: PIN_NUMBER "2" at 17419,12135 h40; PIN_NUMBER "1" at 17299,12135 h40; Top Overlay "+" at 17280,12175 h35; ASSEMBLY_TOP "+" at 17260,12170 h40; ASSEMBLY_TOP "X" at 17415,12120 h40; ASSEMBLY_TOP "X" at 17375,12120 h40; ASSEMBLY_TOP "33uF" at 17340,12120 h40; SYMB_DIM "0" at 17200,12110 h40; SYMB_DIM "0" at 17350,11985 h40; SYMB_DIM "C1206-40X70" at 17299,12340 h40; SYMB_DIM "SP  40X70OV" at 17309,11760 h40; SYMB_DIM "SM  48X78" at 17291,11835 h40; SYMB_DIM "PAD 40X70OV" at 17309,11910 h40
CT507: PIN_NUMBER "2" at 17509,12695 h40 r90; PIN_NUMBER "1" at 17509,12575 h40 r90; Top Overlay "+" at 17530,12515 h35 r90; ASSEMBLY_TOP "+" at 17490,12520 h40 r90; ASSEMBLY_TOP "X" at 17540,12675 h40 r90; ASSEMBLY_TOP "X" at 17540,12635 h40 r90; ASSEMBLY_TOP "22uF" at 17540,12600 h40 r90; SYMB_DIM "0" at 17550,12460 h40 r90; SYMB_DIM "0" at 17675,12610 h40 r90; SYMB_DIM "C1206-40X70" at 17144,12735 h40 r90; SYMB_DIM "SP  40X70OV" at 17724,12745 h40 r90; SYMB_DIM "SM  48X78" at 17681,12695 h40 r90; SYMB_DIM "PAD 40X70OV" at 17574,12745 h40 r90
D1: PIN_NUMBER "2" at 17074,14214 h40 r270; PIN_NUMBER "1" at 17079,13925 h40 r270; SYMB_DIM "SMC-80X128" at 17455,13853 h40 r270
D21: PIN_NUMBER "2" at 11598,12897 h35 r180; PIN_NUMBER "3" at 11636,12813 h35 r180; PIN_NUMBER "1" at 11674,12897 h35 r180; ASSEMBLY_TOP "X" at 11600,12850 h40 r180; ASSEMBLY_TOP "X" at 11635,12850 h40 r180; ASSEMBLY_TOP "MMBD4148" at 11670,12850 h40 r180; SYMB_DIM "0" at 11905,12875 h40 r180; SYMB_DIM "0" at 11670,13210 h40 r180; SYMB_DIM "SOT23-28X44" at 11890,12470 h40 r180; SYMB_DIM "SP  28X44REC" at 11930,13470 h40 r180; SYMB_DIM "SM  36X50REC" at 11930,13395 h40 r180; SYMB_DIM "PAD 28X44REC" at 11930,13330 h40 r180
D503: PIN_NUMBER "2" at 16726,10973 h40 r90; PIN_NUMBER "1" at 16726,10897 h40 r90; PIN_NUMBER "3" at 16642,10935 h40 r90; ASSEMBLY_TOP "X" at 16695,10985 h40 r90; ASSEMBLY_TOP "X" at 16695,10950 h40 r90; ASSEMBLY_TOP "MMBD4148" at 16695,10915 h40 r90; SYMB_DIM "0" at 16720,10680 h40 r90; SYMB_DIM "0" at 17055,10915 h40 r90; SYMB_DIM "SOT23-28X44" at 16315,10695 h40 r90; SYMB_DIM "SP  28X44REC" at 17315,10655 h40 r90; SYMB_DIM "SM  36X50REC" at 17240,10655 h40 r90; SYMB_DIM "PAD 28X44REC" at 17175,10655 h40 r90
D504: PIN_NUMBER "2" at 16892,10897 h40 r270; PIN_NUMBER "3" at 16976,10935 h40 r270; PIN_NUMBER "1" at 16892,10973 h40 r270; ASSEMBLY_TOP "X" at 16955,10885 h40 r270; ASSEMBLY_TOP "X" at 16955,10920 h40 r270; ASSEMBLY_TOP "MMBD4148" at 16955,10955 h40 r270; SYMB_DIM "0" at 16930,11190 h40 r270; SYMB_DIM "0" at 16595,10955 h40 r270; SYMB_DIM "SOT23-28X44" at 17335,11175 h40 r270; SYMB_DIM "SP  28X44REC" at 16335,11215 h40 r270; SYMB_DIM "SM  36X50REC" at 16410,11215 h40 r270; SYMB_DIM "PAD 28X44REC" at 16475,11215 h40 r270
D505: PIN_NUMBER "2" at 16801,10897 h40 r90; PIN_NUMBER "3" at 16717,10935 h40 r90; PIN_NUMBER "1" at 16801,10973 h40 r90; SYMB_DIM "0" at 16795,11190 h40 r90; SYMB_DIM "0" at 17130,10955 h40 r90; SYMB_DIM "SOT23-28X44" at 16390,11175 h40 r90; SYMB_DIM "SP  28X44REC" at 17390,11215 h40 r90; SYMB_DIM "SM  36X50REC" at 17315,11215 h40 r90; SYMB_DIM "PAD 28X44REC" at 17250,11215 h40 r90; ASSEMBLY_BOTTOM "X" at 16770,10885 h40 r90; ASSEMBLY_BOTTOM "X" at 16770,10920 h40 r90; ASSEMBLY_BOTTOM "MMBD4148" at 16770,10955 h40 r90
D506: PIN_NUMBER "2" at 16976,10897 h40 r90; PIN_NUMBER "3" at 16892,10935 h40 r90; PIN_NUMBER "1" at 16976,10973 h40 r90; SYMB_DIM "0" at 16970,11190 h40 r90; SYMB_DIM "0" at 17305,10955 h40 r90; SYMB_DIM "SOT23-28X44" at 16565,11175 h40 r90; SYMB_DIM "SP  28X44REC" at 17565,11215 h40 r90; SYMB_DIM "SM  36X50REC" at 17490,11215 h40 r90; SYMB_DIM "PAD 28X44REC" at 17425,11215 h40 r90; ASSEMBLY_BOTTOM "X" at 16945,10885 h40 r90; ASSEMBLY_BOTTOM "X" at 16945,10920 h40 r90; ASSEMBLY_BOTTOM "MMBD4148" at 16945,10955 h40 r90
D507: PIN_NUMBER "2" at 17092,10897 h40 r270; PIN_NUMBER "1" at 17092,10973 h40 r270; PIN_NUMBER "3" at 17176,10935 h40 r270; ASSEMBLY_TOP "X" at 17155,10885 h40 r270; ASSEMBLY_TOP "X" at 17155,10920 h40 r270; ASSEMBLY_TOP "MMBD4148" at 17155,10955 h40 r270; SYMB_DIM "0" at 17130,11190 h40 r270; SYMB_DIM "0" at 16795,10955 h40 r270; SYMB_DIM "SOT23-28X44" at 17535,11175 h40 r270; SYMB_DIM "SP  28X44REC" at 16535,11215 h40 r270; SYMB_DIM "SM  36X50REC" at 16610,11215 h40 r270; SYMB_DIM "PAD 28X44REC" at 16675,11215 h40 r270
D508: PIN_NUMBER "1" at 17634,12651 h40; PIN_NUMBER "2" at 17831,12646 h40; SYMB_DIM "do214aa-79x110" at 17412,12894 h40
D509: PIN_NUMBER "2" at 17831,12106 h40; PIN_NUMBER "1" at 17634,12111 h40; SYMB_DIM "do214aa-79x110" at 17412,12354 h40
D520: PIN_NUMBER "2" at 17664,10985 h40 r180; PIN_NUMBER "1" at 17784,10985 h40 r180; ASSEMBLY_TOP "X" at 17700,11000 h40 r180; ASSEMBLY_TOP "X" at 17740,11000 h40 r180; ASSEMBLY_TOP "6.2V" at 17775,11000 h40 r180; SYMB_DIM "0" at 17915,11010 h40 r180; SYMB_DIM "0" at 17765,11135 h40 r180; SYMB_DIM "C1206-40X70" at 17464,10780 h40 r180; SYMB_DIM "SP  40X70OV" at 17454,11360 h40 r180; SYMB_DIM "SM  48X78" at 17536,11285 h40 r180; SYMB_DIM "PAD 40X70OV" at 17454,11210 h40 r180
DS1: PIN_NUMBER "2" at 14484,11544 h40 r90; PIN_NUMBER "1" at 14484,11406 h40 r90; ASSEMBLY_TOP "X" at 14560,11445 h40 r90; ASSEMBLY_TOP "X" at 14560,11505 h40 r90; ASSEMBLY_TOP "LED_GRN" at 14560,11415 h40 r90
DS2: PIN_NUMBER "2" at 14584,11544 h40 r90; PIN_NUMBER "1" at 14584,11406 h40 r90; ASSEMBLY_TOP "X" at 14660,11445 h40 r90; ASSEMBLY_TOP "X" at 14660,11505 h40 r90; ASSEMBLY_TOP "LED_GRN" at 14660,11415 h40 r90
DS3: PIN_NUMBER "2" at 14684,11544 h40 r90; PIN_NUMBER "1" at 14684,11406 h40 r90; ASSEMBLY_TOP "X" at 14760,11445 h40 r90; ASSEMBLY_TOP "X" at 14760,11505 h40 r90; ASSEMBLY_TOP "LED_GRN" at 14760,11415 h40 r90
DS4: PIN_NUMBER "2" at 14784,11544 h40 r90; PIN_NUMBER "1" at 14784,11406 h40 r90; ASSEMBLY_TOP "X" at 14860,11445 h40 r90; ASSEMBLY_TOP "X" at 14860,11505 h40 r90; ASSEMBLY_TOP "LED_GRN" at 14860,11415 h40 r90
DS5: PIN_NUMBER "1" at 13859,12194 h40 r270; PIN_NUMBER "2" at 13859,12056 h40 r270; ASSEMBLY_TOP "X" at 13815,12155 h40 r270; ASSEMBLY_TOP "X" at 13815,12095 h40 r270; ASSEMBLY_TOP "Green" at 13815,12185 h40 r270
DS6: PIN_NUMBER "2" at 14878,13000 h40; PIN_NUMBER "1" at 14740,13000 h40; ASSEMBLY_TOP "X" at 14795,12940 h40; ASSEMBLY_TOP "X" at 14855,12940 h40; ASSEMBLY_TOP "LED GRN" at 14765,12940 h40
DS7: PIN_NUMBER "1" at 18063,13665 h40 r180; PIN_NUMBER "2" at 17925,13665 h40 r180; ASSEMBLY_TOP "X" at 18040,13725 h40 r180; ASSEMBLY_TOP "X" at 17980,13725 h40 r180; ASSEMBLY_TOP "LED GRN" at 18070,13725 h40 r180
DS8: PIN_NUMBER "2" at 14878,12825 h40; PIN_NUMBER "1" at 14740,12825 h40; ASSEMBLY_TOP "X" at 14795,12765 h40; ASSEMBLY_TOP "X" at 14855,12765 h40; ASSEMBLY_TOP "LED GRN" at 14765,12765 h40
DS9: PIN_NUMBER "1" at 14740,12650 h40; PIN_NUMBER "2" at 14878,12650 h40; ASSEMBLY_TOP "X" at 14795,12590 h40; ASSEMBLY_TOP "X" at 14855,12590 h40; ASSEMBLY_TOP "LED GRN" at 14765,12590 h40
DS501: PIN_NUMBER "1" at 16255,11330 h40; PIN_NUMBER "2" at 16393,11330 h40; ASSEMBLY_TOP "X" at 16310,11270 h40; ASSEMBLY_TOP "X" at 16370,11270 h40; ASSEMBLY_TOP "LTST-C150GKT" at 16280,11270 h40
E1: PIN_NUMBER "2" at 12056,13480 h10 r180; PIN_NUMBER "3" at 12012,13480 h10 r180; PIN_NUMBER "1" at 12100,13480 h10 r180; ASSEMBLY_TOP "PART#" at 12180,13595 h10 r180; ASSEMBLY_TOP "NFM21PC474R1C3D" at 12190,13595 h10 r180; ASSEMBLY_TOP "TOL" at 12100,13600 h10 r180; SYMB_DIM "FILTER" at 12195,13425 h10 r180
E2: PIN_NUMBER "2" at 12596,13775 h10 r90; PIN_NUMBER "3" at 12596,13819 h10 r90; PIN_NUMBER "1" at 12596,13731 h10 r90; ASSEMBLY_TOP "PART#" at 12715,13655 h10 r90; ASSEMBLY_TOP "NFM21PC474R1C3D" at 12715,13645 h10 r90; ASSEMBLY_TOP "TOL" at 12720,13735 h10 r90; SYMB_DIM "FILTER" at 12545,13640 h10 r90
E3: PIN_NUMBER "2" at 12121,13650 h10 r90; PIN_NUMBER "3" at 12121,13694 h10 r90; PIN_NUMBER "1" at 12121,13606 h10 r90; ASSEMBLY_TOP "PART#" at 12240,13530 h10 r90; ASSEMBLY_TOP "NFM21PC474R1C3D" at 12240,13520 h10 r90; ASSEMBLY_TOP "TOL" at 12245,13610 h10 r90; SYMB_DIM "FILTER" at 12070,13515 h10 r90
E4: PIN_NUMBER "2" at 12121,13800 h10 r90; PIN_NUMBER "3" at 12121,13844 h10 r90; PIN_NUMBER "1" at 12121,13756 h10 r90; ASSEMBLY_TOP "PART#" at 12240,13680 h10 r90; ASSEMBLY_TOP "NFM21PC474R1C3D" at 12240,13670 h10 r90; ASSEMBLY_TOP "TOL" at 12245,13760 h10 r90; SYMB_DIM "FILTER" at 12070,13665 h10 r90
F1: PIN_NUMBER "1" at 17344,14171 h40 r270; PIN_NUMBER "2" at 17344,13919 h40 r270; ASSEMBLY_TOP "F_4.0A" at 17425,14085 h25 r270; ASSEMBLY_TOP "X" at 17425,14110 h25 r270; ASSEMBLY_TOP "X" at 17425,14060 h25 r270; SYMB_DIM "FUSE2-167X150" at 17785,14280 h30 r270; SYMB_DIM "PAD = 167X150REC" at 17085,14280 h30 r270; SYMB_DIM "0" at 17140,14060 h30 r270; SYMB_DIM "0" at 17347.5,14353 h30 r270
J1: PIN_NUMBER "2" at 10509,14525 h40; PIN_NUMBER "1" at 10509,14625 h40; ASSEMBLY_TOP "X" at 10630,14735 h35; ASSEMBLY_TOP "X" at 10580,14735 h35; ASSEMBLY_TOP "HEADER 2" at 10530,14735 h35; SYMB_DIM "PAD 60RD40" at 10375,13775 h30
J2: PIN_NUMBER "9" at 10496.7,15517.9 h15 r180; PIN_NUMBER "10" at 10382.6,15517.9 h15 r180; PIN_NUMBER "4A" at 10400,15175 h15 r180; PIN_NUMBER "4B" at 10488,15050 h15 r180; PIN_NUMBER "5AB" at 10477,15350 h15 r270; PIN_NUMBER "2" at 10309,15155 h15 r180; PIN_NUMBER "1" at 10779,15155 h15 r180; PIN_NUMBER "4" at 10286,15282 h15 r180; PIN_NUMBER "3" at 10802,15282 h15 r180; PIN_NUMBER "6" at 10422.1,15417.5 h15 r180; PIN_NUMBER "5" at 10665.9,15417.5 h15 r180; PIN_NUMBER "8" at 10591.3,15517.9 h15 r180; PIN_NUMBER "7" at 10699.4,15517.9 h15 r180; PIN_NUMBER "4AB" at 10502,15350 h15 r270; PIN_NUMBER "3B" at 10588,15050 h15 r180; PIN_NUMBER "3A" at 10498,15175 h15 r180; PIN_NUMBER "3AB" at 10527,15350 h15 r270; PIN_NUMBER "2B" at 10588,14950 h15 r180; PIN_NUMBER "2A" at 10578,15175 h15 r180; PIN_NUMBER "2AB" at 10552,15350 h15 r270; PIN_NUMBER "1A" at 10676,15175 h15 r180; PIN_NUMBER "1B" at 10488,14950 h15 r180; PIN_NUMBER "1AB" at 10577,15350 h15 r270
J3: PIN_NUMBER "4" at 11083.4,15175 h40 r180; PIN_NUMBER "2" at 11260.6,15175 h40 r180; PIN_NUMBER "1" at 11359,15175 h40 r180; PIN_NUMBER "3" at 11181.8,15175 h40 r180; PIN_NUMBER "5" at 11479.9,15281.7 h40 r180; PIN_NUMBER "6" at 10962.5,15281.7 h40 r180; ASSEMBLY_TOP "PART#" at 11388.9,15347.7 h40 r180; ASSEMBLY_TOP "TOL" at 11356.9,15351.7 h40 r180; ASSEMBLY_TOP "USB-A connector" at 11385.9,15272.7 h40 r180
J4: PIN_NUMBER "4" at 14534,11900 h40 r90; PIN_NUMBER "6" at 14634,11900 h40 r90; PIN_NUMBER "10" at 14818,11900 h40 r90; PIN_NUMBER "12" at 14918,11900 h40 r90; PIN_NUMBER "11" at 14918,11800 h40 r90; PIN_NUMBER "9" at 14834,11800 h40 r90; PIN_NUMBER "5" at 14634,11800 h40 r90; PIN_NUMBER "14" at 15018,11900 h40 r90; PIN_NUMBER "1" at 14434,11800 h40 r90; PIN_NUMBER "2" at 14434,11900 h40 r90; PIN_NUMBER "3" at 14534,11800 h40 r90; PIN_NUMBER "7" at 14734,11800 h40 r90; PIN_NUMBER "13" at 15018,11800 h40 r90; PIN_NUMBER "8" at 14734,11900 h40 r90; ASSEMBLY_TOP "X" at 14190,11905 h35 r90; ASSEMBLY_TOP "X" at 14190,11855 h35 r90; ASSEMBLY_TOP "14 Pin Emulation Header" at 14190,11805 h35 r90; SYMB_DIM "TP-13063" at 14125,11625 h30 r90; SYMB_DIM "PAD 60RD40" at 15200,11650 h30 r90
J5: PIN_NUMBER "17" at 15218,12150 h40 r90; PIN_NUMBER "19" at 15318,12150 h40 r90; PIN_NUMBER "4" at 14534,12250 h40 r90; PIN_NUMBER "6" at 14634,12250 h40 r90; PIN_NUMBER "10" at 14818,12250 h40 r90; PIN_NUMBER "12" at 14918,12250 h40 r90; PIN_NUMBER "14" at 15018,12250 h40 r90; PIN_NUMBER "16" at 15118,12250 h40 r90; PIN_NUMBER "18" at 15218,12250 h40 r90; PIN_NUMBER "20" at 15318,12250 h40 r90; PIN_NUMBER "9" at 14834,12150 h40 r90; PIN_NUMBER "11" at 14918,12150 h40 r90; PIN_NUMBER "15" at 15118,12150 h40 r90; PIN_NUMBER "7" at 14734,12150 h40 r90; PIN_NUMBER "3" at 14534,12150 h40 r90; PIN_NUMBER "5" at 14634,12150 h40 r90; PIN_NUMBER "13" at 15018,12150 h40 r90; PIN_NUMBER "8" at 14734,12250 h40 r90; PIN_NUMBER "1" at 14434,12150 h40 r90; PIN_NUMBER "2" at 14434,12250 h40 r90; ASSEMBLY_TOP "X" at 14190,12255 h35 r90; ASSEMBLY_TOP "X" at 14190,12205 h35 r90; ASSEMBLY_TOP "SAMTEC-TSM-110-DV" at 14190,12155 h35 r90; SYMB_DIM "TP-13063" at 14125,11975 h30 r90; SYMB_DIM "PAD 60RD40" at 16050,12000 h30 r90
J6: PIN_NUMBER "SLEEVE" at 17743,14415 h40 r90; PIN_NUMBER "SHUNT" at 17775,13892 h40 r90; PIN_NUMBER "CENTER" at 17383,14175 h40 r90; ASSEMBLY_TOP "RASM712" at 18035,13970 h40 r90; ASSEMBLY_TOP "TOL" at 18085,13970 h40 r90; ASSEMBLY_TOP "PART#" at 18135,13970 h40 r90
J201: PIN_NUMBER "4" at 17849,11326.5 h40 r90; PIN_NUMBER "5" at 17849,11358 h40 r90; PIN_NUMBER "6" at 17853,11120 h40 r90; PIN_NUMBER "8" at 18070,11120 h40 r90; PIN_NUMBER "7" at 17853,11470 h40 r90; PIN_NUMBER "9" at 18070,11470 h40 r90; PIN_NUMBER "1" at 17849,11232 h40 r90; PIN_NUMBER "2" at 17849,11263.5 h40 r90; PIN_NUMBER "3" at 17849,11295 h40 r90
J205: PIN_NUMBER "2" at 16142,12165 h20 r270; PIN_NUMBER "10" at 16134,11965 h20 r270; PIN_NUMBER "9" at 16272,11965 h20 r270; PIN_NUMBER "1" at 16272,12165 h20 r270; PIN_NUMBER "8" at 16142,12015 h20 r270; PIN_NUMBER "7" at 16272,12015 h20 r270; PIN_NUMBER "4" at 16142,12115 h20 r270; PIN_NUMBER "5" at 16272,12065 h20 r270; PIN_NUMBER "3" at 16272,12115 h20 r270; PIN_NUMBER "6" at 16142,12065 h20 r270; ASSEMBLY_TOP "PART#" at 16115,11500 h40 r270; ASSEMBLY_TOP "TOL" at 16165,11500 h40 r270; ASSEMBLY_TOP "100562-0005" at 16215,11500 h40 r270; SYMB_DIM "CONN2X13-35x55-pass" at 16865,12515 h60 r270; SYMB_DIM "PAD 35x55rec" at 15464.5,12458.5 h60 r270
JP501: PIN_NUMBER "3" at 17644,11545 h20; PIN_NUMBER "2" at 17704,11545 h20; PIN_NUMBER "1" at 17764,11545 h20; ASSEMBLY_BOTTOM "X" at 17705,11545 h40; ASSEMBLY_BOTTOM "X" at 17740,11540 h40; ASSEMBLY_BOTTOM "JUMPER3_SMT" at 17775,11540 h40
JP502: PIN_NUMBER "3" at 17879,11975 h20; PIN_NUMBER "2" at 17939,11975 h20; PIN_NUMBER "1" at 17999,11975 h20; ASSEMBLY_BOTTOM "X" at 17940,11975 h40; ASSEMBLY_BOTTOM "X" at 17975,11970 h40; ASSEMBLY_BOTTOM "JUMPER3_SMT" at 18010,11970 h40
JP503: PIN_NUMBER "3" at 17869,11895 h20; PIN_NUMBER "2" at 17929,11895 h20; PIN_NUMBER "1" at 17989,11895 h20; ASSEMBLY_BOTTOM "X" at 17930,11895 h40; ASSEMBLY_BOTTOM "X" at 17965,11890 h40; ASSEMBLY_BOTTOM "JUMPER3_SMT" at 18000,11890 h40
JP504: PIN_NUMBER "3" at 17729,11990 h20 r180; PIN_NUMBER "2" at 17669,11990 h20 r180; PIN_NUMBER "1" at 17609,11990 h20 r180; ASSEMBLY_BOTTOM "X" at 17700,11990 h40 r180; ASSEMBLY_BOTTOM "X" at 17665,11995 h40 r180; ASSEMBLY_BOTTOM "JUMPER3_SMT" at 17630,11995 h40 r180
JP505: PIN_NUMBER "3" at 17644,11620 h20; PIN_NUMBER "2" at 17704,11620 h20; PIN_NUMBER "1" at 17764,11620 h20; ASSEMBLY_BOTTOM "X" at 17705,11620 h40; ASSEMBLY_BOTTOM "X" at 17740,11615 h40; ASSEMBLY_BOTTOM "JUMPER3_SMT" at 17775,11615 h40
JP506: PIN_NUMBER "1" at 17799,11770 h20; PIN_NUMBER "3" at 17679,11770 h20; PIN_NUMBER "2" at 17739,11770 h20; ASSEMBLY_BOTTOM "X" at 17740,11770 h40; ASSEMBLY_BOTTOM "X" at 17775,11765 h40; ASSEMBLY_BOTTOM "JUMPER3_SMT" at 17810,11765 h40
JP507: PIN_NUMBER "3" at 17644,11870 h20; PIN_NUMBER "1" at 17764,11870 h20; PIN_NUMBER "2" at 17704,11870 h20; ASSEMBLY_BOTTOM "X" at 17705,11870 h40; ASSEMBLY_BOTTOM "X" at 17740,11865 h40; ASSEMBLY_BOTTOM "JUMPER3_SMT" at 17775,11865 h40
JP508: PIN_NUMBER "1" at 17934,11655 h40 r180; PIN_NUMBER "2" at 17994,11655 h40 r180; SYMB_DIM "PAD 35X45OV" at 18165,11580 h40 r180; SYMB_DIM "SM  43X53OV" at 18165,11640 h40 r180; SYMB_DIM "SP  35X45OV" at 18165,11710 h40 r180; SYMB_DIM "R603-35X45" at 17770,11465 h40 r180; SYMB_DIM "0" at 17960,11795 h40 r180; SYMB_DIM "0" at 17835,11675 h40 r180; ASSEMBLY_BOTTOM "JUMPER 2" at 17955,11670 h40 r180; ASSEMBLY_BOTTOM "X" at 17985,11670 h40 r180; ASSEMBLY_BOTTOM "X" at 18020,11670 h40 r180